# KiCad board protoboard-6x4-breakout.kicad_pcb (continued)
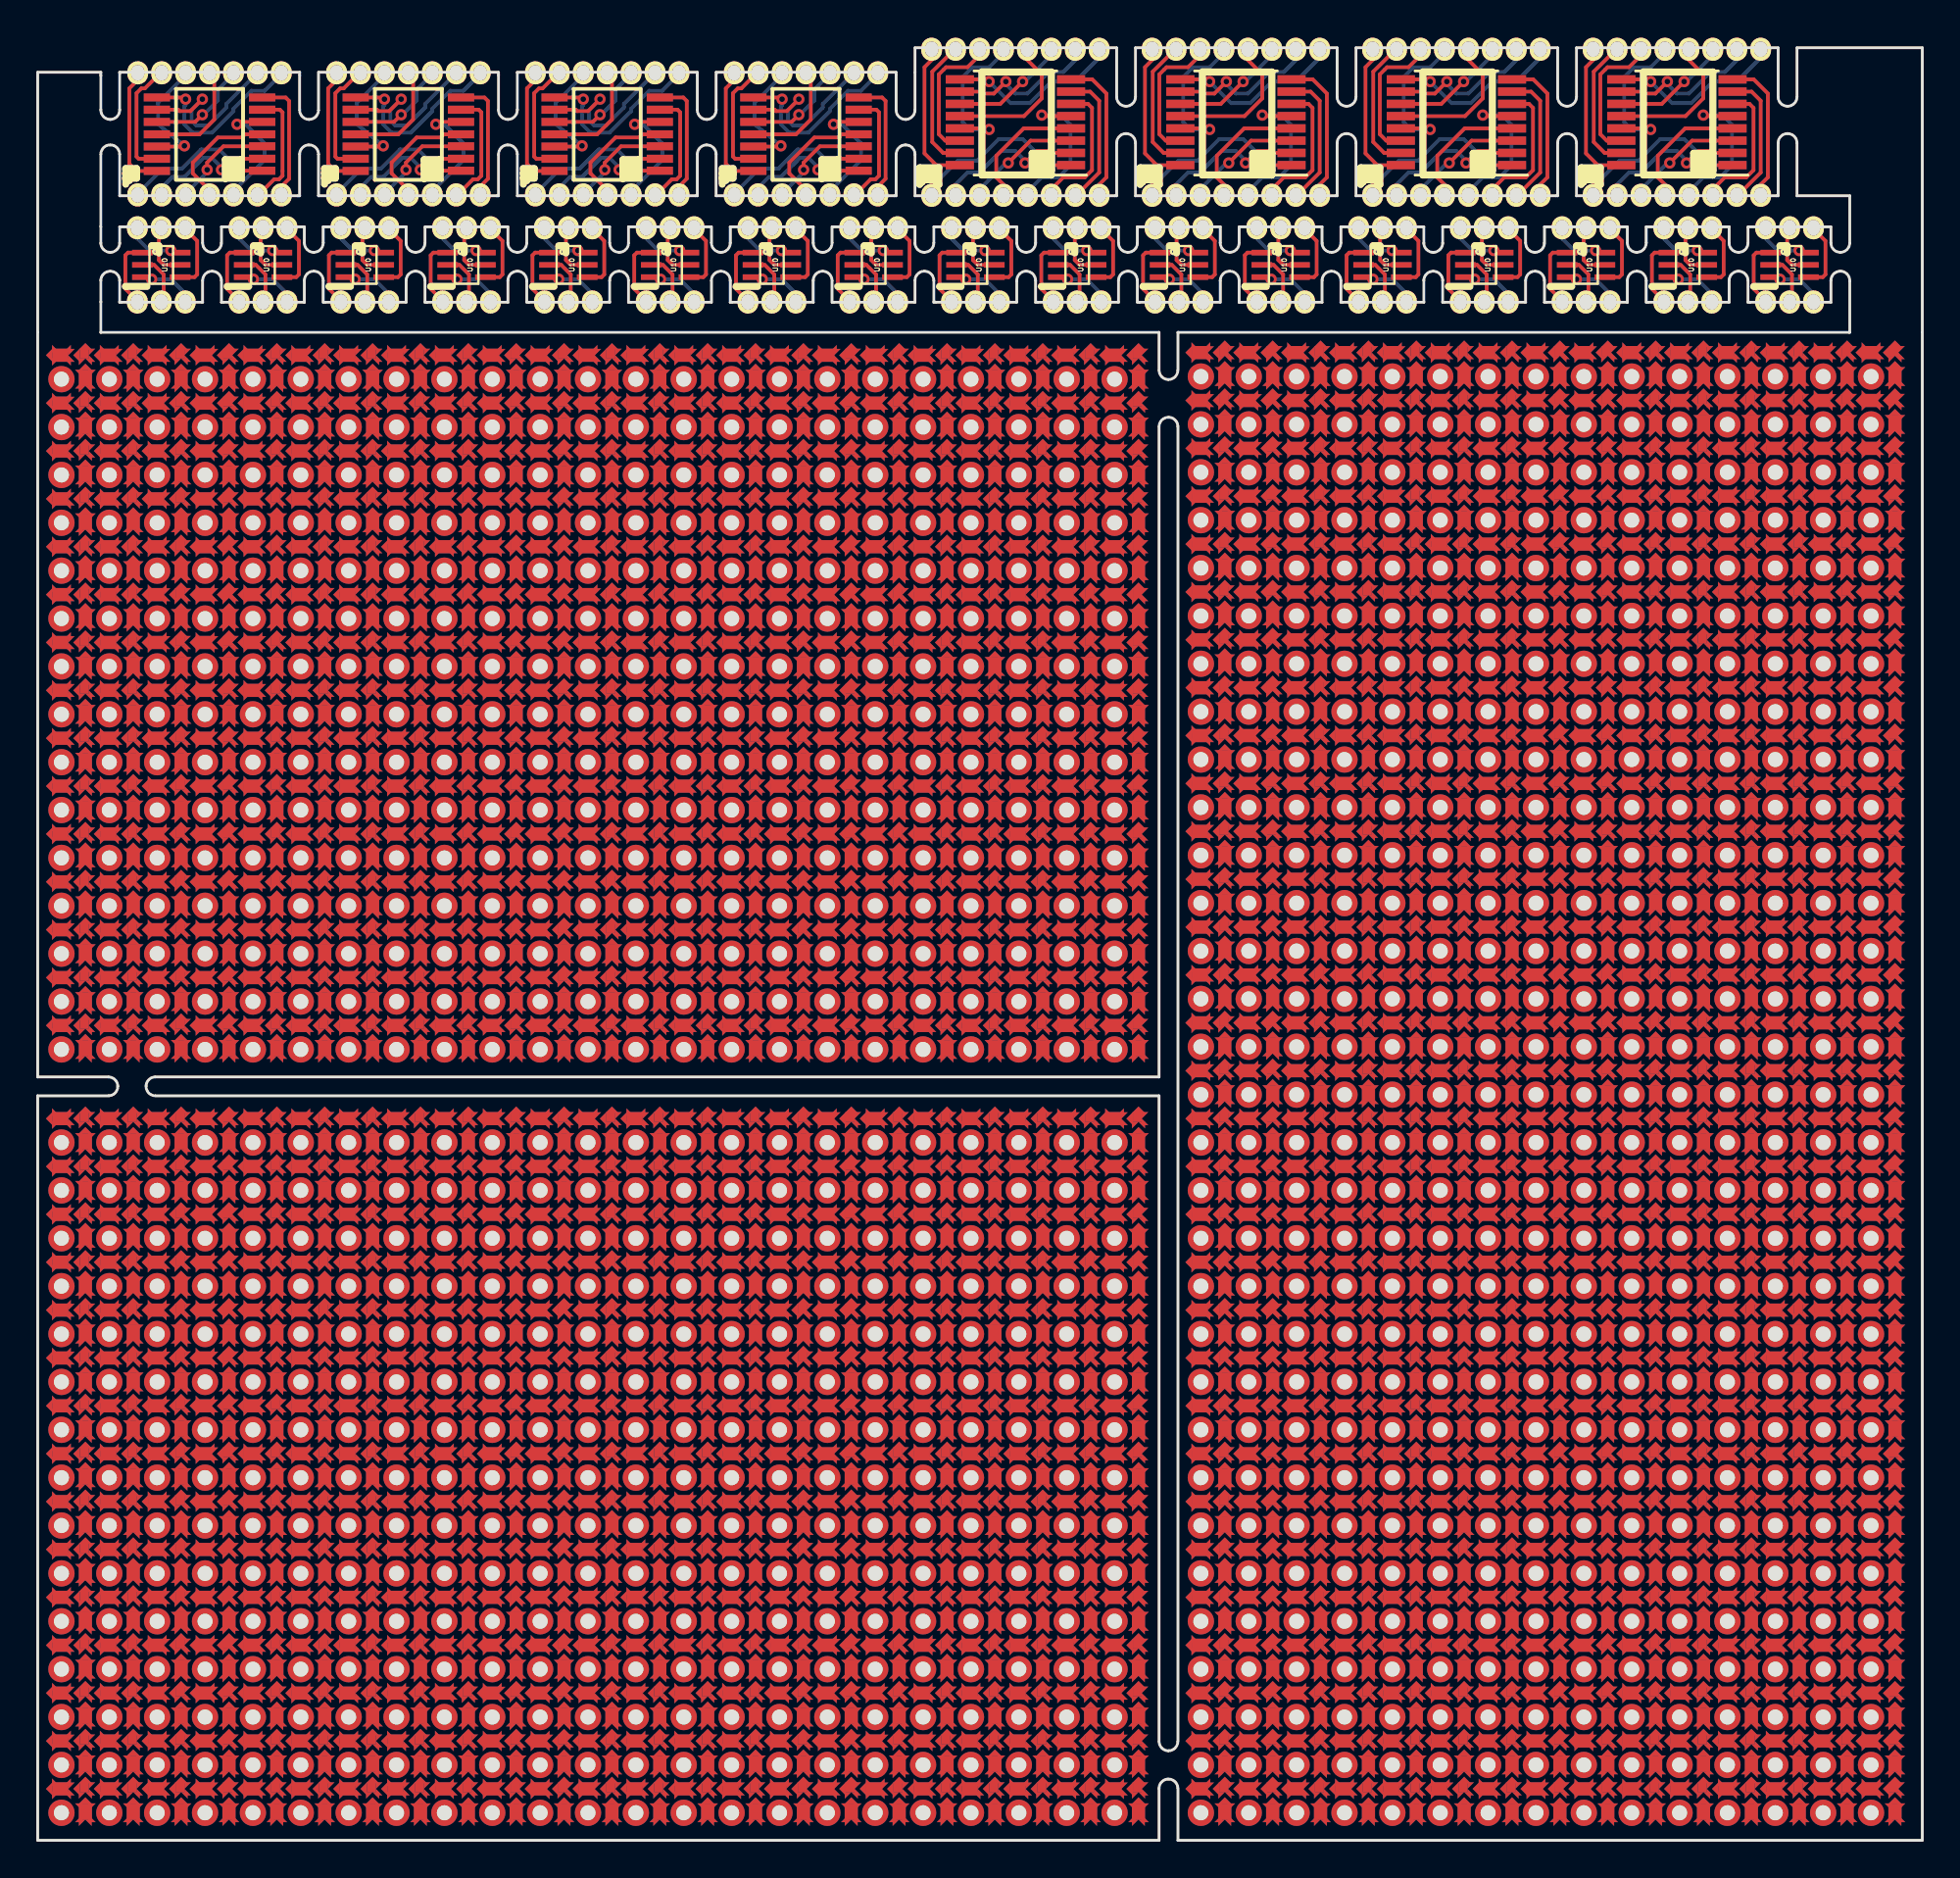
[diagram p0: board, top side]
## Placement (name value [footprint] x y rotation side) (continued)
REF**#1207  center-pad  [center-pad-spikes]  33.01 23.05 0 top
REF**#1208  center-pad  [center-pad-spikes]  35.55 23.05 0 top
REF**#1209  pad-between  [pad-between-spiked]  35.55 21.78 0 top
REF**#1210  pad-between  [pad-between-spiked]  35.55 24.32 0 top
REF**#1211  pad-between  [pad-between-spiked]  36.82 23.05 90 top
REF**#1212  pad-between  [pad-between-spiked]  38.09 24.32 0 top
REF**#1213  pad-between  [pad-between-spiked]  38.09 21.78 0 top
REF**#1214  center-pad  [center-pad-spikes]  38.09 23.05 0 top
REF**#1215  center-pad  [center-pad-spikes]  38.09 25.59 0 top
REF**#1216  pad-between  [pad-between-spiked]  36.82 25.59 90 top
REF**#1217  center-pad  [center-pad-spikes]  35.55 25.59 0 top
REF**#1218  center-pad  [center-pad-spikes]  33.01 25.59 0 top
REF**#1219  pad-between  [pad-between-spiked]  34.28 25.59 90 top
REF**#1220  pad-between  [pad-between-spiked]  31.74 25.59 90 top
REF**#1221  pad-between  [pad-between-spiked]  39.36 25.59 90 top
REF**#1222  pad-between  [pad-between-spiked]  41.9 25.59 90 top
REF**#1223  center-pad  [center-pad-spikes]  40.63 25.59 0 top
REF**#1224  center-pad  [center-pad-spikes]  43.17 25.59 0 top
REF**#1225  pad-between  [pad-between-spiked]  44.44 25.59 90 top
REF**#1226  center-pad  [center-pad-spikes]  45.71 25.59 0 top
REF**#1227  center-pad  [center-pad-spikes]  45.71 23.05 0 top
REF**#1228  pad-between  [pad-between-spiked]  45.71 21.78 0 top
REF**#1229  pad-between  [pad-between-spiked]  45.71 24.32 0 top
REF**#1230  pad-between  [pad-between-spiked]  44.44 23.05 90 top
REF**#1231  pad-between  [pad-between-spiked]  43.17 24.32 0 top
REF**#1232  pad-between  [pad-between-spiked]  43.17 21.78 0 top
REF**#1233  center-pad  [center-pad-spikes]  43.17 23.05 0 top
REF**#1234  center-pad  [center-pad-spikes]  40.63 23.05 0 top
REF**#1235  pad-between  [pad-between-spiked]  40.63 21.78 0 top
REF**#1236  pad-between  [pad-between-spiked]  40.63 24.32 0 top
REF**#1237  pad-between  [pad-between-spiked]  41.9 23.05 90 top
REF**#1238  pad-between  [pad-between-spiked]  39.36 23.05 90 top
REF**#1239  -  [tht-0.8]  44.44 24.32 0 top
REF**#1240  -  [tht-0.8]  41.9 24.32 0 top
REF**#1241  -  [tht-0.8]  39.36 24.32 0 top
REF**#1242  -  [tht-0.8]  39.36 21.78 0 top
REF**#1243  -  [tht-0.8]  41.9 21.78 0 top
REF**#1244  -  [tht-0.8]  44.44 21.78 0 top
REF**#1245  -  [tht-0.8]  57.14 21.78 0 top
REF**#1246  -  [tht-0.8]  54.6 21.78 0 top
REF**#1247  -  [tht-0.8]  54.6 24.32 0 top
REF**#1248  -  [tht-0.8]  57.14 24.32 0 top
REF**#1249  pad-between  [pad-between-spiked]  54.6 23.05 90 top
REF**#1250  pad-between  [pad-between-spiked]  57.14 23.05 90 top
REF**#1251  pad-between  [pad-between-spiked]  55.87 24.32 0 top
REF**#1252  pad-between  [pad-between-spiked]  55.87 21.78 0 top
REF**#1253  center-pad  [center-pad-spikes]  55.87 23.05 0 top
REF**#1254  center-pad  [center-pad-spikes]  58.41 23.05 0 top
REF**#1255  pad-between  [pad-between-spiked]  58.41 21.78 0 top
REF**#1256  pad-between  [pad-between-spiked]  58.41 24.32 0 top
REF**#1257  center-pad  [center-pad-spikes]  58.41 25.59 0 top
REF**#1258  center-pad  [center-pad-spikes]  55.87 25.59 0 top
REF**#1259  pad-between  [pad-between-spiked]  57.14 25.59 90 top
REF**#1260  pad-between  [pad-between-spiked]  54.6 25.59 90 top
REF**#1261  pad-between  [pad-between-spiked]  46.98 25.59 90 top
REF**#1262  pad-between  [pad-between-spiked]  49.52 25.59 90 top
REF**#1263  center-pad  [center-pad-spikes]  48.25 25.59 0 top
REF**#1264  center-pad  [center-pad-spikes]  50.79 25.59 0 top
REF**#1265  pad-between  [pad-between-spiked]  52.06 25.59 90 top
REF**#1266  center-pad  [center-pad-spikes]  53.33 25.59 0 top
REF**#1267  center-pad  [center-pad-spikes]  53.33 23.05 0 top
REF**#1268  pad-between  [pad-between-spiked]  53.33 21.78 0 top
REF**#1269  pad-between  [pad-between-spiked]  53.33 24.32 0 top
REF**#1270  pad-between  [pad-between-spiked]  52.06 23.05 90 top
REF**#1271  pad-between  [pad-between-spiked]  50.79 24.32 0 top
REF**#1272  pad-between  [pad-between-spiked]  50.79 21.78 0 top
REF**#1273  center-pad  [center-pad-spikes]  50.79 23.05 0 top
REF**#1274  center-pad  [center-pad-spikes]  48.25 23.05 0 top
REF**#1275  pad-between  [pad-between-spiked]  48.25 21.78 0 top
REF**#1276  pad-between  [pad-between-spiked]  48.25 24.32 0 top
REF**#1277  pad-between  [pad-between-spiked]  49.52 23.05 90 top
REF**#1278  pad-between  [pad-between-spiked]  46.98 23.05 90 top
REF**#1279  -  [tht-0.8]  52.06 24.32 0 top
REF**#1280  -  [tht-0.8]  49.52 24.32 0 top
REF**#1281  -  [tht-0.8]  46.98 24.32 0 top
REF**#1282  -  [tht-0.8]  46.98 21.78 0 top
REF**#1283  -  [tht-0.8]  49.52 21.78 0 top
REF**#1284  -  [tht-0.8]  52.06 21.78 0 top
REF**#1285  -  [tht-0.8]  21.58 21.78 0 top
REF**#1286  -  [tht-0.8]  19.04 21.78 0 top
REF**#1287  -  [tht-0.8]  16.5 21.78 0 top
REF**#1288  -  [tht-0.8]  16.5 24.32 0 top
REF**#1289  -  [tht-0.8]  19.04 24.32 0 top
REF**#1290  -  [tht-0.8]  21.58 24.32 0 top
REF**#1291  pad-between  [pad-between-spiked]  16.5 23.05 90 top
REF**#1292  pad-between  [pad-between-spiked]  19.04 23.05 90 top
REF**#1293  pad-between  [pad-between-spiked]  17.77 24.32 0 top
REF**#1294  pad-between  [pad-between-spiked]  17.77 21.78 0 top
REF**#1295  center-pad  [center-pad-spikes]  17.77 23.05 0 top
REF**#1296  center-pad  [center-pad-spikes]  20.31 23.05 0 top
REF**#1297  pad-between  [pad-between-spiked]  20.31 21.78 0 top
REF**#1298  pad-between  [pad-between-spiked]  20.31 24.32 0 top
REF**#1299  pad-between  [pad-between-spiked]  21.58 23.05 90 top
REF**#1300  pad-between  [pad-between-spiked]  22.85 24.32 0 top
REF**#1301  pad-between  [pad-between-spiked]  22.85 21.78 0 top
REF**#1302  center-pad  [center-pad-spikes]  22.85 23.05 0 top
REF**#1303  center-pad  [center-pad-spikes]  22.85 25.59 0 top
REF**#1304  pad-between  [pad-between-spiked]  21.58 25.59 90 top
REF**#1305  center-pad  [center-pad-spikes]  20.31 25.59 0 top
REF**#1306  center-pad  [center-pad-spikes]  17.77 25.59 0 top
REF**#1307  pad-between  [pad-between-spiked]  19.04 25.59 90 top
REF**#1308  pad-between  [pad-between-spiked]  16.5 25.59 90 top
REF**#1309  pad-between  [pad-between-spiked]  24.12 25.59 90 top
REF**#1310  pad-between  [pad-between-spiked]  26.66 25.59 90 top
REF**#1311  center-pad  [center-pad-spikes]  25.39 25.59 0 top
REF**#1312  center-pad  [center-pad-spikes]  27.93 25.59 0 top
REF**#1313  pad-between  [pad-between-spiked]  29.2 25.59 90 top
REF**#1314  center-pad  [center-pad-spikes]  30.47 25.59 0 top
REF**#1315  center-pad  [center-pad-spikes]  30.47 23.05 0 top
REF**#1316  pad-between  [pad-between-spiked]  30.47 21.78 0 top
REF**#1317  pad-between  [pad-between-spiked]  30.47 24.32 0 top
REF**#1318  pad-between  [pad-between-spiked]  29.2 23.05 90 top
REF**#1319  pad-between  [pad-between-spiked]  27.93 24.32 0 top
REF**#1320  pad-between  [pad-between-spiked]  27.93 21.78 0 top
REF**#1321  center-pad  [center-pad-spikes]  27.93 23.05 0 top
REF**#1322  center-pad  [center-pad-spikes]  25.39 23.05 0 top
REF**#1323  pad-between  [pad-between-spiked]  25.39 21.78 0 top
REF**#1324  pad-between  [pad-between-spiked]  25.39 24.32 0 top
REF**#1325  pad-between  [pad-between-spiked]  26.66 23.05 90 top
REF**#1326  pad-between  [pad-between-spiked]  24.12 23.05 90 top
REF**#1327  -  [tht-0.8]  29.2 24.32 0 top
REF**#1328  -  [tht-0.8]  26.66 24.32 0 top
REF**#1329  -  [tht-0.8]  24.12 24.32 0 top
REF**#1330  -  [tht-0.8]  24.12 21.78 0 top
REF**#1331  -  [tht-0.8]  26.66 21.78 0 top
REF**#1332  -  [tht-0.8]  29.2 21.78 0 top
REF**#1333  -  [tht-0.8]  13.96 21.78 0 top
REF**#1334  -  [tht-0.8]  11.42 21.78 0 top
REF**#1335  -  [tht-0.8]  8.88 21.78 0 top
REF**#1336  -  [tht-0.8]  8.88 24.32 0 top
REF**#1337  -  [tht-0.8]  11.42 24.32 0 top
REF**#1338  -  [tht-0.8]  13.96 24.32 0 top
REF**#1339  pad-between  [pad-between-spiked]  8.88 23.05 90 top
REF**#1340  pad-between  [pad-between-spiked]  11.42 23.05 90 top
REF**#1341  pad-between  [pad-between-spiked]  10.15 24.32 0 top
REF**#1342  pad-between  [pad-between-spiked]  10.15 21.78 0 top
REF**#1343  center-pad  [center-pad-spikes]  10.15 23.05 0 top
REF**#1344  center-pad  [center-pad-spikes]  12.69 23.05 0 top
REF**#1345  pad-between  [pad-between-spiked]  12.69 21.78 0 top
REF**#1346  pad-between  [pad-between-spiked]  12.69 24.32 0 top
REF**#1347  pad-between  [pad-between-spiked]  13.96 23.05 90 top
REF**#1348  pad-between  [pad-between-spiked]  15.23 24.32 0 top
REF**#1349  pad-between  [pad-between-spiked]  15.23 21.78 0 top
REF**#1350  center-pad  [center-pad-spikes]  15.23 23.05 0 top
REF**#1351  center-pad  [center-pad-spikes]  15.23 25.59 0 top
REF**#1352  pad-between  [pad-between-spiked]  13.96 25.59 90 top
REF**#1353  center-pad  [center-pad-spikes]  12.69 25.59 0 top
REF**#1354  center-pad  [center-pad-spikes]  10.15 25.59 0 top
REF**#1355  pad-between  [pad-between-spiked]  11.42 25.59 90 top
REF**#1356  pad-between  [pad-between-spiked]  8.88 25.59 90 top
REF**#1357  pad-between  [pad-between-spiked]  1.26 25.59 90 top
REF**#1358  pad-between  [pad-between-spiked]  3.8 25.59 90 top
REF**#1359  center-pad  [center-pad-spikes]  2.53 25.59 0 top
REF**#1360  center-pad  [center-pad-spikes]  5.07 25.59 0 top
REF**#1361  pad-between  [pad-between-spiked]  6.34 25.59 90 top
REF**#1362  center-pad  [center-pad-spikes]  7.61 25.59 0 top
REF**#1363  center-pad  [center-pad-spikes]  7.61 23.05 0 top
REF**#1364  pad-between  [pad-between-spiked]  7.61 21.78 0 top
REF**#1365  pad-between  [pad-between-spiked]  7.61 24.32 0 top
REF**#1366  pad-between  [pad-between-spiked]  6.34 23.05 90 top
REF**#1367  pad-between  [pad-between-spiked]  5.07 24.32 0 top
REF**#1368  pad-between  [pad-between-spiked]  5.07 21.78 0 top
REF**#1369  center-pad  [center-pad-spikes]  5.07 23.05 0 top
REF**#1370  center-pad  [center-pad-spikes]  2.53 23.05 0 top
REF**#1371  pad-between  [pad-between-spiked]  2.53 21.78 0 top
REF**#1372  pad-between  [pad-between-spiked]  2.53 24.32 0 top
REF**#1373  pad-between  [pad-between-spiked]  3.8 23.05 90 top
REF**#1374  pad-between  [pad-between-spiked]  1.26 23.05 90 top
REF**#1375  -  [tht-0.8]  6.34 24.32 0 top
REF**#1376  -  [tht-0.8]  3.8 24.32 0 top
REF**#1377  -  [tht-0.8]  1.26 24.32 0 top
REF**#1378  -  [tht-0.8]  1.26 21.78 0 top
REF**#1379  -  [tht-0.8]  3.8 21.78 0 top
REF**#1380  -  [tht-0.8]  6.34 21.78 0 top
REF**#1381  -  [tht-0.8]  6.34 62.28 0 top
REF**#1382  -  [tht-0.8]  3.8 62.28 0 top
REF**#1383  -  [tht-0.8]  1.26 62.28 0 top
REF**#1384  -  [tht-0.8]  1.26 64.82 0 top
REF**#1385  -  [tht-0.8]  3.8 64.82 0 top
REF**#1386  -  [tht-0.8]  6.34 64.82 0 top
REF**#1387  pad-between  [pad-between-spiked]  1.26 63.55 90 top
REF**#1388  pad-between  [pad-between-spiked]  3.8 63.55 90 top
REF**#1389  pad-between  [pad-between-spiked]  2.53 64.82 0 top
REF**#1390  pad-between  [pad-between-spiked]  2.53 62.28 0 top
REF**#1391  center-pad  [center-pad-spikes]  2.53 63.55 0 top
REF**#1392  center-pad  [center-pad-spikes]  5.07 63.55 0 top
REF**#1393  pad-between  [pad-between-spiked]  5.07 62.28 0 top
REF**#1394  pad-between  [pad-between-spiked]  5.07 64.82 0 top
REF**#1395  pad-between  [pad-between-spiked]  6.34 63.55 90 top
REF**#1396  pad-between  [pad-between-spiked]  7.61 64.82 0 top
REF**#1397  pad-between  [pad-between-spiked]  7.61 62.28 0 top
REF**#1398  center-pad  [center-pad-spikes]  7.61 63.55 0 top
REF**#1399  center-pad  [center-pad-spikes]  7.61 66.09 0 top
REF**#1400  pad-between  [pad-between-spiked]  6.34 66.09 90 top
REF**#1401  center-pad  [center-pad-spikes]  5.07 66.09 0 top
REF**#1402  center-pad  [center-pad-spikes]  2.53 66.09 0 top
REF**#1403  pad-between  [pad-between-spiked]  3.8 66.09 90 top
REF**#1404  pad-between  [pad-between-spiked]  1.26 66.09 90 top
REF**#1405  pad-between  [pad-between-spiked]  8.88 66.09 90 top
REF**#1406  pad-between  [pad-between-spiked]  11.42 66.09 90 top
REF**#1407  center-pad  [center-pad-spikes]  10.15 66.09 0 top
REF**#1408  center-pad  [center-pad-spikes]  12.69 66.09 0 top
REF**#1409  pad-between  [pad-between-spiked]  13.96 66.09 90 top
REF**#1410  center-pad  [center-pad-spikes]  15.23 66.09 0 top
REF**#1411  center-pad  [center-pad-spikes]  15.23 63.55 0 top
REF**#1412  pad-between  [pad-between-spiked]  15.23 62.28 0 top
REF**#1413  pad-between  [pad-between-spiked]  15.23 64.82 0 top
REF**#1414  pad-between  [pad-between-spiked]  13.96 63.55 90 top
REF**#1415  pad-between  [pad-between-spiked]  12.69 64.82 0 top
REF**#1416  pad-between  [pad-between-spiked]  12.69 62.28 0 top
REF**#1417  center-pad  [center-pad-spikes]  12.69 63.55 0 top
REF**#1418  center-pad  [center-pad-spikes]  10.15 63.55 0 top
REF**#1419  pad-between  [pad-between-spiked]  10.15 62.28 0 top
REF**#1420  pad-between  [pad-between-spiked]  10.15 64.82 0 top
REF**#1421  pad-between  [pad-between-spiked]  11.42 63.55 90 top
REF**#1422  pad-between  [pad-between-spiked]  8.88 63.55 90 top
REF**#1423  -  [tht-0.8]  13.96 64.82 0 top
REF**#1424  -  [tht-0.8]  11.42 64.82 0 top
REF**#1425  -  [tht-0.8]  8.88 64.82 0 top
REF**#1426  -  [tht-0.8]  8.88 62.28 0 top
REF**#1427  -  [tht-0.8]  11.42 62.28 0 top
REF**#1428  -  [tht-0.8]  13.96 62.28 0 top
REF**#1429  -  [tht-0.8]  29.2 62.28 0 top
REF**#1430  -  [tht-0.8]  26.66 62.28 0 top
REF**#1431  -  [tht-0.8]  24.12 62.28 0 top
REF**#1432  -  [tht-0.8]  24.12 64.82 0 top
REF**#1433  -  [tht-0.8]  26.66 64.82 0 top
REF**#1434  -  [tht-0.8]  29.2 64.82 0 top
REF**#1435  pad-between  [pad-between-spiked]  24.12 63.55 90 top
REF**#1436  pad-between  [pad-between-spiked]  26.66 63.55 90 top
REF**#1437  pad-between  [pad-between-spiked]  25.39 64.82 0 top
REF**#1438  pad-between  [pad-between-spiked]  25.39 62.28 0 top
REF**#1439  center-pad  [center-pad-spikes]  25.39 63.55 0 top
REF**#1440  center-pad  [center-pad-spikes]  27.93 63.55 0 top
REF**#1441  pad-between  [pad-between-spiked]  27.93 62.28 0 top
REF**#1442  pad-between  [pad-between-spiked]  27.93 64.82 0 top
REF**#1443  pad-between  [pad-between-spiked]  29.2 63.55 90 top
REF**#1444  pad-between  [pad-between-spiked]  30.47 64.82 0 top
REF**#1445  pad-between  [pad-between-spiked]  30.47 62.28 0 top
REF**#1446  center-pad  [center-pad-spikes]  30.47 63.55 0 top
REF**#1447  center-pad  [center-pad-spikes]  30.47 66.09 0 top
REF**#1448  pad-between  [pad-between-spiked]  29.2 66.09 90 top
REF**#1449  center-pad  [center-pad-spikes]  27.93 66.09 0 top
REF**#1450  center-pad  [center-pad-spikes]  25.39 66.09 0 top
REF**#1451  pad-between  [pad-between-spiked]  26.66 66.09 90 top
REF**#1452  pad-between  [pad-between-spiked]  24.12 66.09 90 top
REF**#1453  pad-between  [pad-between-spiked]  16.5 66.09 90 top
REF**#1454  pad-between  [pad-between-spiked]  19.04 66.09 90 top
REF**#1455  center-pad  [center-pad-spikes]  17.77 66.09 0 top
REF**#1456  center-pad  [center-pad-spikes]  20.31 66.09 0 top
REF**#1457  pad-between  [pad-between-spiked]  21.58 66.09 90 top
REF**#1458  center-pad  [center-pad-spikes]  22.85 66.09 0 top
REF**#1459  center-pad  [center-pad-spikes]  22.85 63.55 0 top
REF**#1460  pad-between  [pad-between-spiked]  22.85 62.28 0 top
REF**#1461  pad-between  [pad-between-spiked]  22.85 64.82 0 top
REF**#1462  pad-between  [pad-between-spiked]  21.58 63.55 90 top
REF**#1463  pad-between  [pad-between-spiked]  20.31 64.82 0 top
REF**#1464  pad-between  [pad-between-spiked]  20.31 62.28 0 top
REF**#1465  center-pad  [center-pad-spikes]  20.31 63.55 0 top
REF**#1466  center-pad  [center-pad-spikes]  17.77 63.55 0 top
REF**#1467  pad-between  [pad-between-spiked]  17.77 62.28 0 top
REF**#1468  pad-between  [pad-between-spiked]  17.77 64.82 0 top
REF**#1469  pad-between  [pad-between-spiked]  19.04 63.55 90 top
REF**#1470  pad-between  [pad-between-spiked]  16.5 63.55 90 top
REF**#1471  -  [tht-0.8]  21.58 64.82 0 top
REF**#1472  -  [tht-0.8]  19.04 64.82 0 top
REF**#1473  -  [tht-0.8]  16.5 64.82 0 top
REF**#1474  -  [tht-0.8]  16.5 62.28 0 top
REF**#1475  -  [tht-0.8]  19.04 62.28 0 top
REF**#1476  -  [tht-0.8]  21.58 62.28 0 top
REF**#1477  -  [tht-0.8]  52.06 62.28 0 top
REF**#1478  -  [tht-0.8]  49.52 62.28 0 top
REF**#1479  -  [tht-0.8]  46.98 62.28 0 top
REF**#1480  -  [tht-0.8]  46.98 64.82 0 top
REF**#1481  -  [tht-0.8]  49.52 64.82 0 top
REF**#1482  -  [tht-0.8]  52.06 64.82 0 top
REF**#1483  pad-between  [pad-between-spiked]  46.98 63.55 90 top
REF**#1484  pad-between  [pad-between-spiked]  49.52 63.55 90 top
REF**#1485  pad-between  [pad-between-spiked]  48.25 64.82 0 top
REF**#1486  pad-between  [pad-between-spiked]  48.25 62.28 0 top
REF**#1487  center-pad  [center-pad-spikes]  48.25 63.55 0 top
REF**#1488  center-pad  [center-pad-spikes]  50.79 63.55 0 top
REF**#1489  pad-between  [pad-between-spiked]  50.79 62.28 0 top
REF**#1490  pad-between  [pad-between-spiked]  50.79 64.82 0 top
REF**#1491  pad-between  [pad-between-spiked]  52.06 63.55 90 top
REF**#1492  pad-between  [pad-between-spiked]  53.33 64.82 0 top
REF**#1493  pad-between  [pad-between-spiked]  53.33 62.28 0 top
REF**#1494  center-pad  [center-pad-spikes]  53.33 63.55 0 top
REF**#1495  center-pad  [center-pad-spikes]  53.33 66.09 0 top
REF**#1496  pad-between  [pad-between-spiked]  52.06 66.09 90 top
REF**#1497  center-pad  [center-pad-spikes]  50.79 66.09 0 top
REF**#1498  center-pad  [center-pad-spikes]  48.25 66.09 0 top
REF**#1499  pad-between  [pad-between-spiked]  49.52 66.09 90 top
REF**#1500  pad-between  [pad-between-spiked]  46.98 66.09 90 top
REF**#1501  pad-between  [pad-between-spiked]  54.6 66.09 90 top
REF**#1502  pad-between  [pad-between-spiked]  57.14 66.09 90 top
REF**#1503  center-pad  [center-pad-spikes]  55.87 66.09 0 top
REF**#1504  center-pad  [center-pad-spikes]  58.41 66.09 0 top
REF**#1505  pad-between  [pad-between-spiked]  58.41 64.82 0 top
REF**#1506  pad-between  [pad-between-spiked]  58.41 62.28 0 top
REF**#1507  center-pad  [center-pad-spikes]  58.41 63.55 0 top
REF**#1508  center-pad  [center-pad-spikes]  55.87 63.55 0 top
REF**#1509  pad-between  [pad-between-spiked]  55.87 62.28 0 top
REF**#1510  pad-between  [pad-between-spiked]  55.87 64.82 0 top
REF**#1511  pad-between  [pad-between-spiked]  57.14 63.55 90 top
REF**#1512  pad-between  [pad-between-spiked]  54.6 63.55 90 top
REF**#1513  -  [tht-0.8]  57.14 64.82 0 top
REF**#1514  -  [tht-0.8]  54.6 64.82 0 top
REF**#1515  -  [tht-0.8]  54.6 62.28 0 top
REF**#1516  -  [tht-0.8]  57.14 62.28 0 top
REF**#1517  -  [tht-0.8]  44.44 62.28 0 top
REF**#1518  -  [tht-0.8]  41.9 62.28 0 top
REF**#1519  -  [tht-0.8]  39.36 62.28 0 top
REF**#1520  -  [tht-0.8]  39.36 64.82 0 top
REF**#1521  -  [tht-0.8]  41.9 64.82 0 top
REF**#1522  -  [tht-0.8]  44.44 64.82 0 top
REF**#1523  pad-between  [pad-between-spiked]  39.36 63.55 90 top
REF**#1524  pad-between  [pad-between-spiked]  41.9 63.55 90 top
REF**#1525  pad-between  [pad-between-spiked]  40.63 64.82 0 top
REF**#1526  pad-between  [pad-between-spiked]  40.63 62.28 0 top
REF**#1527  center-pad  [center-pad-spikes]  40.63 63.55 0 top
REF**#1528  center-pad  [center-pad-spikes]  43.17 63.55 0 top
REF**#1529  pad-between  [pad-between-spiked]  43.17 62.28 0 top
REF**#1530  pad-between  [pad-between-spiked]  43.17 64.82 0 top
REF**#1531  pad-between  [pad-between-spiked]  44.44 63.55 90 top
REF**#1532  pad-between  [pad-between-spiked]  45.71 64.82 0 top
REF**#1533  pad-between  [pad-between-spiked]  45.71 62.28 0 top
REF**#1534  center-pad  [center-pad-spikes]  45.71 63.55 0 top
REF**#1535  center-pad  [center-pad-spikes]  45.71 66.09 0 top
REF**#1536  pad-between  [pad-between-spiked]  44.44 66.09 90 top
REF**#1537  center-pad  [center-pad-spikes]  43.17 66.09 0 top
REF**#1538  center-pad  [center-pad-spikes]  40.63 66.09 0 top
REF**#1539  pad-between  [pad-between-spiked]  41.9 66.09 90 top
REF**#1540  pad-between  [pad-between-spiked]  39.36 66.09 90 top
REF**#1541  pad-between  [pad-between-spiked]  31.74 66.09 90 top
REF**#1542  pad-between  [pad-between-spiked]  34.28 66.09 90 top
REF**#1543  center-pad  [center-pad-spikes]  33.01 66.09 0 top
REF**#1544  center-pad  [center-pad-spikes]  35.55 66.09 0 top
REF**#1545  pad-between  [pad-between-spiked]  36.82 66.09 90 top
REF**#1546  center-pad  [center-pad-spikes]  38.09 66.09 0 top
REF**#1547  center-pad  [center-pad-spikes]  38.09 63.55 0 top
REF**#1548  pad-between  [pad-between-spiked]  38.09 62.28 0 top
REF**#1549  pad-between  [pad-between-spiked]  38.09 64.82 0 top
REF**#1550  pad-between  [pad-between-spiked]  36.82 63.55 90 top
REF**#1551  pad-between  [pad-between-spiked]  35.55 64.82 0 top
REF**#1552  pad-between  [pad-between-spiked]  35.55 62.28 0 top
REF**#1553  center-pad  [center-pad-spikes]  35.55 63.55 0 top
REF**#1554  center-pad  [center-pad-spikes]  33.01 63.55 0 top
REF**#1555  pad-between  [pad-between-spiked]  33.01 62.28 0 top
REF**#1556  pad-between  [pad-between-spiked]  33.01 64.82 0 top
REF**#1557  pad-between  [pad-between-spiked]  34.28 63.55 90 top
REF**#1558  pad-between  [pad-between-spiked]  31.74 63.55 90 top
REF**#1559  -  [tht-0.8]  36.82 64.82 0 top
REF**#1560  -  [tht-0.8]  34.28 64.82 0 top
REF**#1561  -  [tht-0.8]  31.74 64.82 0 top
REF**#1562  -  [tht-0.8]  31.74 62.28 0 top
REF**#1563  -  [tht-0.8]  34.28 62.28 0 top
REF**#1564  -  [tht-0.8]  36.82 62.28 0 top
REF**#1565  -  [tht-0.8]  36.82 67.36 0 top
REF**#1566  -  [tht-0.8]  34.28 67.36 0 top
REF**#1567  -  [tht-0.8]  31.74 67.36 0 top
REF**#1568  -  [tht-0.8]  31.74 69.9 0 top
REF**#1569  -  [tht-0.8]  34.28 69.9 0 top
REF**#1570  -  [tht-0.8]  36.82 69.9 0 top
REF**#1571  pad-between  [pad-between-spiked]  31.74 68.63 90 top
REF**#1572  pad-between  [pad-between-spiked]  34.28 68.63 90 top
REF**#1573  pad-between  [pad-between-spiked]  33.01 69.9 0 top
REF**#1574  pad-between  [pad-between-spiked]  33.01 67.36 0 top
REF**#1575  center-pad  [center-pad-spikes]  33.01 68.63 0 top
REF**#1576  center-pad  [center-pad-spikes]  35.55 68.63 0 top
REF**#1577  pad-between  [pad-between-spiked]  35.55 67.36 0 top
REF**#1578  pad-between  [pad-between-spiked]  35.55 69.9 0 top
REF**#1579  pad-between  [pad-between-spiked]  36.82 68.63 90 top
REF**#1580  pad-between  [pad-between-spiked]  38.09 69.9 0 top
REF**#1581  pad-between  [pad-between-spiked]  38.09 67.36 0 top
REF**#1582  center-pad  [center-pad-spikes]  38.09 68.63 0 top
REF**#1583  center-pad  [center-pad-spikes]  38.09 71.17 0 top
REF**#1584  pad-between  [pad-between-spiked]  36.82 71.17 90 top
REF**#1585  center-pad  [center-pad-spikes]  35.55 71.17 0 top
REF**#1586  center-pad  [center-pad-spikes]  33.01 71.17 0 top
REF**#1587  pad-between  [pad-between-spiked]  34.28 71.17 90 top
REF**#1588  pad-between  [pad-between-spiked]  31.74 71.17 90 top
REF**#1589  pad-between  [pad-between-spiked]  39.36 71.17 90 top
REF**#1590  pad-between  [pad-between-spiked]  41.9 71.17 90 top
REF**#1591  center-pad  [center-pad-spikes]  40.63 71.17 0 top
REF**#1592  center-pad  [center-pad-spikes]  43.17 71.17 0 top
REF**#1593  pad-between  [pad-between-spiked]  44.44 71.17 90 top
REF**#1594  center-pad  [center-pad-spikes]  45.71 71.17 0 top
REF**#1595  center-pad  [center-pad-spikes]  45.71 68.63 0 top
REF**#1596  pad-between  [pad-between-spiked]  45.71 67.36 0 top
REF**#1597  pad-between  [pad-between-spiked]  45.71 69.9 0 top
REF**#1598  pad-between  [pad-between-spiked]  44.44 68.63 90 top
REF**#1599  pad-between  [pad-between-spiked]  43.17 69.9 0 top
REF**#1600  pad-between  [pad-between-spiked]  43.17 67.36 0 top
REF**#1601  center-pad  [center-pad-spikes]  43.17 68.63 0 top
REF**#1602  center-pad  [center-pad-spikes]  40.63 68.63 0 top
REF**#1603  pad-between  [pad-between-spiked]  40.63 67.36 0 top
REF**#1604  pad-between  [pad-between-spiked]  40.63 69.9 0 top
REF**#1605  pad-between  [pad-between-spiked]  41.9 68.63 90 top
REF**#1606  pad-between  [pad-between-spiked]  39.36 68.63 90 top
REF**#1607  -  [tht-0.8]  44.44 69.9 0 top
REF**#1608  -  [tht-0.8]  41.9 69.9 0 top
REF**#1609  -  [tht-0.8]  39.36 69.9 0 top
REF**#1610  -  [tht-0.8]  39.36 67.36 0 top
REF**#1611  -  [tht-0.8]  41.9 67.36 0 top
REF**#1612  -  [tht-0.8]  44.44 67.36 0 top
REF**#1613  -  [tht-0.8]  57.14 67.36 0 top
REF**#1614  -  [tht-0.8]  54.6 67.36 0 top
REF**#1615  -  [tht-0.8]  54.6 69.9 0 top
REF**#1616  -  [tht-0.8]  57.14 69.9 0 top
REF**#1617  pad-between  [pad-between-spiked]  54.6 68.63 90 top
REF**#1618  pad-between  [pad-between-spiked]  57.14 68.63 90 top
REF**#1619  pad-between  [pad-between-spiked]  55.87 69.9 0 top
REF**#1620  pad-between  [pad-between-spiked]  55.87 67.36 0 top
REF**#1621  center-pad  [center-pad-spikes]  55.87 68.63 0 top
REF**#1622  center-pad  [center-pad-spikes]  58.41 68.63 0 top
REF**#1623  pad-between  [pad-between-spiked]  58.41 67.36 0 top
REF**#1624  pad-between  [pad-between-spiked]  58.41 69.9 0 top
REF**#1625  center-pad  [center-pad-spikes]  58.41 71.17 0 top
REF**#1626  center-pad  [center-pad-spikes]  55.87 71.17 0 top
